# Altium PCB IoTa_1_0.PcbDoc (part 1 of 2) (continued)
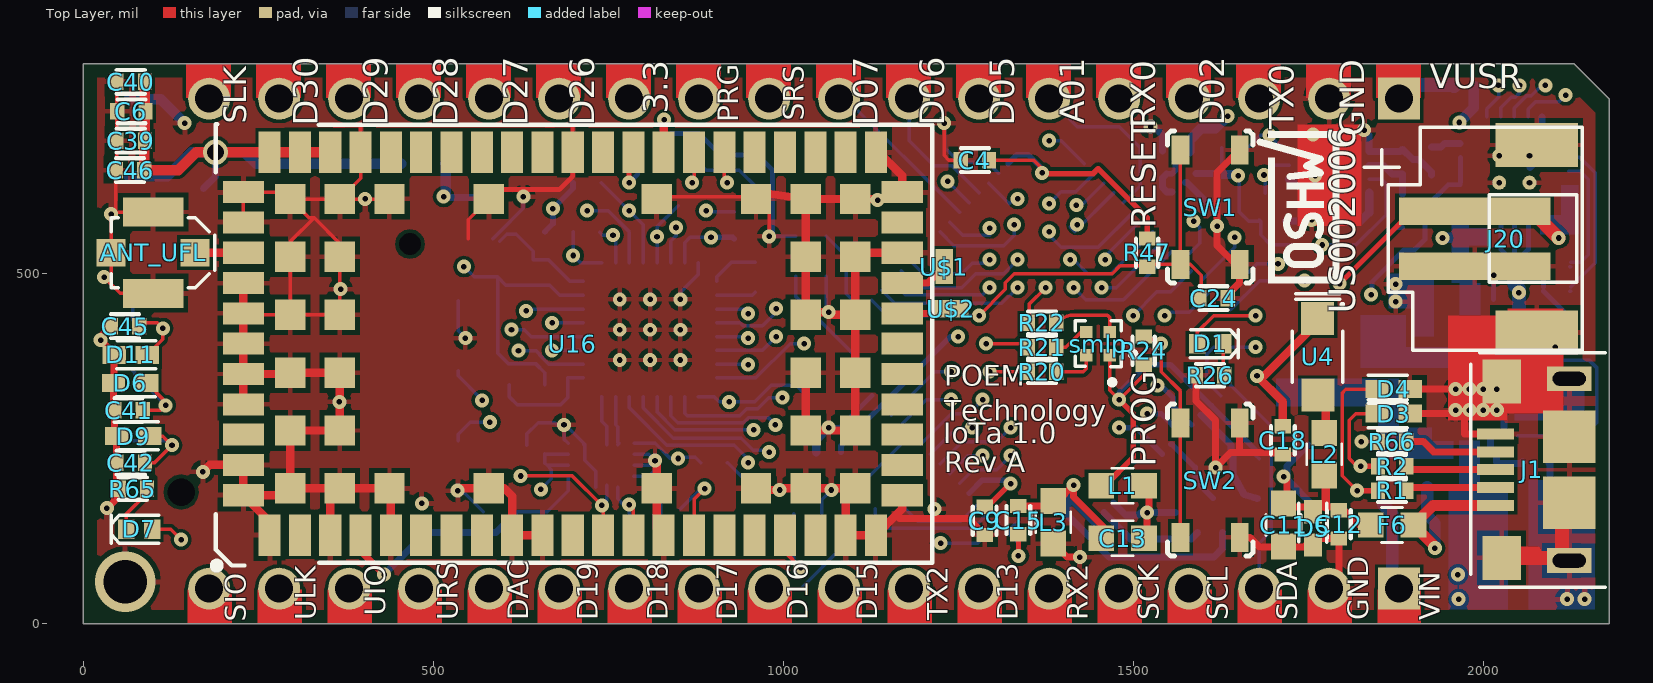
[diagram p0: Top Layer view]
## Components (designator, comment, footprint, x,y, rotation, side; value= is the part's Value field where it differs from the comment) (continued)
JRIGHT "22-28-4180" 1X18 1880,750 r180 bottom locked
L1 "FerriteBead_220ohm" RES0603 1485,197 r180 top
L2 "FerriteBead_220ohm" RES0603 1773,242 r90 top
L3 "FerriteBead_220ohm" RES0603 1386,145 r90 top
L5 "1uH" COILCRAFT_XFL4020 1770,375 r270 bottom
L7 "FerriteBead_220ohm" RES0603 486,657 r180 bottom
R1 "22" RES0402 1870,190 r180 top
R2 "22" RES0402 1870,225 r180 top
R7 "62k" RES0402 2105,481 r0 bottom
R8 "2k" RES0402 2105,516 r0 bottom
R12 "150k" RES0402 2075.63,228.63 r0 bottom
R13 "1M" RES0402 2000.63,228.63 r180 bottom
R19 "470" RES0402 1555,140 r270 bottom
R20 "470" RES0402 1370,360 r0 top
R21 "120" RES0402 1370,395 r0 top
R22 "160" RES0402 1370,430 r0 top
R24 "10K" RES0402 1515,390 r270 top
R26 "75" RES0402 1610,355 r0 top
R35 "10K" RES0402 1645,680 r180 bottom
R36 "10K" RES0402 930,570 r270 bottom
R37 "10K" RES0402 720,630 r180 bottom
R38 "10K" RES0402 680,560 r180 bottom
R40 "10K" RES0402 1670,608 r180 bottom
R45 "1k" RES0402 1885,586 r270 bottom
R47 "10K" RES0402 1520,530 r90 top
R51 "CRCW08050000Z0EA" RESC2013X50X30LL20T20 885,157 r0 bottom value=0
R65 "75" RES0402 71,193 r0 top
R66 "0" RES0402 1870,260 r180 top
R2000 "10K" RES0402 1926,660.82 r90 bottom
SIM1 "SIM_CARD_NANO" SIM_CARD_NANO 140,188 r90 bottom locked
smlp "LED_RGB_1mm_sq" LED-RGB-1X1 1450,400 r270 top locked
SW1 "SWITCH_PTS810" SWITCH_PTS810 1610,595 r90 top locked
SW2 "SWITCH_PTS810" SWITCH_PTS810 1610,205 r90 top locked
TP1 "TPTP08R" TP08R 1920,195 r90 bottom
TP5 "TPTP08R" TP08R 1750,255 r90 bottom
TP13 "TPTP08R" TP08R 2114,562 r90 bottom
TP17 "TPTP08R" TP08R 738,559 r90 bottom
TP23 "TPTP08R" TP08R 625,211 r90 bottom
TP24 "TPTP08R" TP08R 786,133 r90 bottom
TP25 "TPTP08R" TP08R 1031.15,296.01 r90 bottom
TP26 "TPTP08R" TP08R 1030,400 r90 bottom
TP27 "TPTP08R" TP08R 850,597 r90 bottom
TP28 "TPTP08R" TP08R 172,622 r90 bottom
TP30 "TPTP08R" TP08R 568,609 r90 bottom
U1 "MICROCHIP_73871" QFN50P400X400X80_20_pin 2044.64,646.68 r0 bottom locked
U2 "TPS63020" QFN-14-POWERPAD3X4DSJ 1990.63,323.63 r180 bottom
U3 "CDBQR0230L" SODFL350X99-2N 1810,170 r180 bottom locked
U4 "CDBQR0230L" SODFL350X99-2N 1763.5,381.03 r270 top
U5 "MK22FN1M0VLH12" LQFP-64N 1376,394 r135 bottom locked
U6 "FREESCALE_MKL17Z256VFM4" QFN50P50 810,420 r0 bottom locked
U8 "VOLTAGE_TRANSLATOR_4_BIT" UQFN_16 740,234 r0 bottom
U9 "" SC70-5 634,298 r90 bottom locked
U10 "" REG_NCP160AMX180TBG 1571.04,629.8 r270 bottom
U16 "SARA-R410" SARA 229,183.47 r90 top locked
U19 "MAX1704X" TDFN-8 1780,645 r180 bottom
U$1 "TESTPAD" TESTPAD 1230,510 r90 top
U$2 "TESTPAD" TESTPAD 1240,450 r180 top
X1 "CRYSTAL_16MHz" CRYSTAL-SMD-2X1.6 1040,525 r90 bottom
X2 "32.768 kHz" CRYSTAL_ABS05 1153,164 r180 bottom
X3 "32.768 kHz" CRYSTAL_ABS05 960,495 r90 bottom

## Footprints (in the part's own frame and the unit in brackets; to place one, negate y for a bottom-side part, rotate by r counter-clockwise, add the part's x,y. Pads: shape width x height; smd on the part's side, far side on the other; paste and mask are expansions set on the pad)
1X18 [mil] "1X18, 0.1\" through-hole male header"
  rect 60x60 hole 40: 1(0,0)
  round 60 hole 40: 2(100,0) 3(200,0) 4(300,0) 5(400,0) 6(500,0) 7(600,0) 8(700,0) 9(800,0) 10(900,0) 11(1000,0) 12(1100,0) 13(1200,0) 14(1300,0) 15(1400,0) 16(1500,0) 17(1600,0) 18(1700,0)
  silkscreen extent -50,-50 1750,50, body extent -50,-47 1750,51, height 331
CAP0402 [mm] "Chip Capacitor, 2-Leads, Body 1.00x0.50mm, IPC Medium Density"
  rect 0.515x0.6 smd: 1(-0.513,0) 2(0.513,0)
  silkscreen extent -0.51,-0.43 0.51,0.43, body extent -0.55,-0.3 0.55,0.3, height 0.6
CAP0603 [mil]
  rect 37x36 smd: 1(30.5,0) 2(-30.5,0)
  silkscreen extent -15,-25 15,25, body extent -39,-20 39,20, height 32
CAP1210POL [mil] "Polorized version of CAP1210 showing orientation of cap"
  rect 63x110 smd: 1(-55,0) 2(55,0)
  silkscreen extent -104,-65 85,60, body extent -67,-53 67,53, height 50
COILCRAFT_XFL4020 [mil] "COILCRAFT_XFL4020"
  rect 38.58x133.86 smd: P$1(-46.65,0) P$2(46.65,0)
  silkscreen extent -79,-79 79,79, body extent -80,-80 80,80, height 83
CRYSTAL-SMD-2X1.6 [mil] "CRYSTAL-SMD-2X1.6"
  rect 35.43x31.5 smd: 1(-28.35,-21.65) 2(28.35,-21.65) 3(28.35,21.65) 4(-28.35,21.65)
  silkscreen extent -62,-55 -52,-45, body extent -39,-31 39,31, height 16
CRYSTAL_ABS05 [mm] "CRYSTAL 1mm x 1.6mm"
  rect 0.5x1 smd: 1(-0.55,0) 2(0.55,0)
  silkscreen extent -0.97,-0.65 0.95,0.67, body extent -0.79,-0.49 0.81,0.51, height 0.5
DIODE_0402 [mm] "0402 sized Diode"
  rect 0.5x0.7 smd: ANODE(-0.375,0) CATHODE(0.375,0)
  silkscreen extent -0.61,-0.51 0.87,0.51, body extent -0.5,-0.25 0.5,0.25, height 0.35
JST-PH-2-Top [mm] "JST-PH-2 Surface Mount Top Entry"
  rect 1x5.5 smd: BAT(-1,-4.75) GND(1,-4.75)
  rect 1.6x3 smd: CHASSIS1(-3.4,-2.5) CHASSIS2(3.4,-2.5)
  silkscreen extent -4.05,-8.75 4.05,-0.85, body extent -3.96,-6.98 3.99,0.02, height 6.6
LED-RGB-1X1 [mm] "LED RGB 1mm x 1mm"
  rect 0.45x0.45 smd: 1(0.425,0.425) 2(0.425,-0.425) 3(-0.425,-0.425) 4(-0.425,0.425)
  silkscreen extent -0.84,-0.84 1.53,1.4, body extent -0.51,-0.5 0.49,0.5, height 0.2
LED_0402_VISHAY_VLMW [mm] "LED_0402_VISHAY_VLMW"
  rect 0.6x0.7 smd: ANODE(0.475,0) CATHODE(-0.475,0)
  silkscreen extent -1.02,-0.51 0.72,0.51, body extent -0.5,-0.25 0.5,0.25, height 0.35
LQFP-64N [mm] "TSQFP, 64-Leads, Body 10.00x10.00mm, Pitch 0.50mm, IPC Medium Density"
  oval 1.4x0.28 smd mask+0.07: 1(-5.7,3.75) 2(-5.7,3.25) 3(-5.7,2.75) 4(-5.7,2.25) 5(-5.7,1.75) 6(-5.7,1.25) 7(-5.7,0.75) 8(-5.7,0.25) 9(-5.7,-0.25) 10(-5.7,-0.75) 11(-5.7,-1.25) 12(-5.7,-1.75) 13(-5.7,-2.25) 14(-5.7,-2.75) 15(-5.7,-3.25) 16(-5.7,-3.75) 33(5.7,-3.75) 34(5.7,-3.25) 35(5.7,-2.75) 36(5.7,-2.25) 37(5.7,-1.75) 38(5.7,-1.25) 39(5.7,-0.75) 40(5.7,-0.25) 41(5.7,0.25) 42(5.7,0.75) 43(5.7,1.25) 44(5.7,1.75) 45(5.7,2.25) 46(5.7,2.75) 47(5.7,3.25) 48(5.7,3.75)
  oval 0.28x1.4 smd mask+0.07: 17(-3.75,-5.7) 19(-2.75,-5.7) 20(-2.25,-5.7) 21(-1.75,-5.7) 22(-1.25,-5.7) 23(-0.75,-5.7) 24(-0.25,-5.7) 25(0.25,-5.7) 26(0.75,-5.7) 27(1.25,-5.7) 28(1.75,-5.7) 29(2.25,-5.7) 30(2.75,-5.7) 31(3.25,-5.7) 32(3.75,-5.7) 49(3.75,5.7) 50(3.25,5.7) 51(2.75,5.7) 52(2.25,5.7) 53(1.75,5.7) 54(1.25,5.7) 55(0.75,5.7) 56(0.25,5.7) 57(-0.25,5.7) 58(-0.75,5.7) 59(-1.25,5.7) 60(-1.75,5.7) 61(-2.25,5.7) 62(-2.75,5.7) 63(-3.25,5.7) 64(-3.75,5.7)
  rrect100% 0.28x1.4 smd mask+0.07: 18(-3.25,-5.7)
  silkscreen extent -5.82,-4.6 4.6,4.6, body extent -6,-6 6,6, height 1.6
PESD_0402 [mm] "LittleFuse PESD 0402"
  rect 0.85x0.65 smd: 1(-0.6,0) 2(0.6,0)
  silkscreen extent -0.5,-0.5 0.91,0.52, body extent -0.55,-0.3 0.55,0.3, height 0.35
QFN50P50 [mm] "QFN, 32-Leads, Body 5.00x5.00mm, Pitch 0.50mm, Thermal Pad 3.60x3.60mm, IPC Medium Density"
  rect 0.8x0.25 smd: 1(-2.425,1.75) 2(-2.425,1.25) 3(-2.425,0.75) 4(-2.425,0.25) 5(-2.425,-0.25) 6(-2.425,-0.75) 7(-2.425,-1.25) 8(-2.425,-1.75) 17(2.425,-1.75) 18(2.425,-1.25) 19(2.425,-0.75) 20(2.425,-0.25) 21(2.425,0.25) 22(2.425,0.75) 23(2.425,1.25) 24(2.425,1.75)
  rect 0.25x0.8 smd: 9(-1.75,-2.425) 10(-1.25,-2.425) 11(-0.75,-2.425) 12(-0.25,-2.425) 13(0.25,-2.425) 14(0.75,-2.425) 15(1.25,-2.425) 16(1.75,-2.425) 25(1.75,2.425) 26(1.25,2.425) 27(0.75,2.425) 28(0.25,2.425) 29(-0.25,2.425) 30(-0.75,2.425) 31(-1.25,2.425) 32(-1.75,2.425)
  rect 3.4x3.4 smd mask+0: PAD(0,0)
  silkscreen extent -3.42,-2.65 2.65,2.65, body extent -2.55,-2.55 2.55,2.55, height 0.65
QFN50P400X400X80_20_pin [mm] "QFN, 20-Leads, Body 4.00x4.00mm, Pitch 0.50mm, Thermal Pad 2.50x2.50mm, IPC Medium Density"
  rect 0.73x0.3 smd mask+0.051: 1(-1.965,1) 2(-1.965,0.5) 3(-1.965,0) 4(-1.965,-0.5) 5(-1.965,-1) 11(1.965,-1) 12(1.965,-0.5) 13(1.965,0) 14(1.965,0.5) 15(1.965,1)
  rect 0.3x0.73 smd mask+0.051: 6(-1,-1.965) 7(-0.5,-1.965) 8(0,-1.965) 9(0.5,-1.965) 10(1,-1.965) 16(1,1.965) 17(0.5,1.965) 18(0,1.965) 19(-0.5,1.965) 20(-1,1.965)
  round 0.508 hole 0.203: 21(-0.55,-0.55) 21(0.55,-0.55)
  round 0.508 hole 0.203 mask+0.102: 21(-0.55,0.424) 21(0.55,0.424)
  rect 2.5x2.5 smd mask+0.051: 21(0,0)
  silkscreen extent -2.4,-2 2,2, body extent -2.08,-2.08 2.08,2.08, height 0.8
QFN-14-POWERPAD3X4DSJ [mm] "QFN-14-POWERPAD3X4DSJ"
  rrect100% 0.24x0.6 smd mask+0.052: 1(-1.5,-1.4) 3(-0.5,-1.4) 4(0,-1.4) 5(0.5,-1.4) 6(1,-1.4) 7(1.5,-1.4) 8(1.5,1.4) 9(1,1.4) 10(0.5,1.4) 11(0,1.4) 12(-0.5,1.4) 13(-1,1.4) 14(-1.5,1.4)
  rrect100% 0.24x0.6 smd paste+0 mask+0.052: 2(-1,-1.4)
  rect 0.8x0.2 smd mask+0.052: POWERPAD(-1.8,-0.69) POWERPAD(-1.8,-0.23) POWERPAD(-1.8,0.23) POWERPAD(-1.8,0.69) POWERPAD(1.8,-0.69) POWERPAD(1.8,-0.23) POWERPAD(1.8,0.23) POWERPAD(1.8,0.69)
  rect 2.85x1.58 smd paste-5: POWERPAD(0,0)
  silkscreen extent -2.32,-1.82 2.07,1.58, body extent -2,-1.55 2,1.55, height 1
REG_NCP160AMX180TBG [mm]
  rect 0.1x0.1 smd paste-1 mask+0: 1(-0.325,-0.4) 2(0.325,-0.4) 3(0.325,0.4) 4(-0.325,0.4)
  rect 0.52x0.52 smd rot 45 mask+0: 5(0,0)
  silkscreen extent -0.62,-0.63 -0.58,-0.58, body extent -0.5,-0.5 0.5,0.5, height 0.38
RES0402 [mm] "Chip Resistor, 2-Leads, Body 1.00x0.50mm, IPC Medium Density"
  rect 0.515x0.6 smd: 1(-0.513,0) 2(0.513,0)
  silkscreen extent -0.51,-0.41 0.51,0.41, body extent -0.55,-0.3 0.55,0.3, height 0.35
RES0603 [mil]
  rect 37x36 smd: 1(30.5,0) 2(-30.5,0)
  silkscreen extent -15,-25 15,25, body extent -39,-20 39,20, height 32
RESC2013X50X30LL20T20 [mm] "Chip Resistor, 2-Leads, Body 2.00x1.25mm, IPC High Density"
  rect 0.85x1.35 smd: 1(-0.825,0) 2(0.825,0)
  silkscreen extent -0.1,-0.58 0.1,0.58, body extent -1.1,-0.72 1.1,0.72, height 0.5
SARA [mm] "u-blox SARA cellular module"
  rect 1.5x0.8 smd paste-0.1: 1(-1.45,-0.95) 2(-1.45,-2.05) 3(-1.45,-3.15) 4(-1.45,-4.25) 5(-1.45,-5.35) 6(-1.45,-6.45) 7(-1.45,-7.55) 8(-1.45,-8.65) 9(-1.45,-9.75) 10(-1.45,-10.85) 11(-1.45,-11.95) 12(-1.45,-13.05) 13(-1.45,-14.15) 14(-1.45,-15.25) 15(-1.45,-16.35) 16(-1.45,-17.45) 17(-1.45,-18.55) 18(-1.45,-19.65) 19(-1.45,-20.75) 20(-1.45,-21.85) 21(-1.45,-22.95) 33(12.45,-22.95) 34(12.45,-21.85) 35(12.45,-20.75) 36(12.45,-19.65) 37(12.45,-18.55) 38(12.45,-17.45) 39(12.45,-16.35) 40(12.45,-15.25) 41(12.45,-14.15) 42(12.45,-13.05) 43(12.45,-11.95) 44(12.45,-10.85) 45(12.45,-9.75) 46(12.45,-8.65) 47(12.45,-7.55) 48(12.45,-6.45) 49(12.45,-5.35) 50(12.45,-4.25) 51(12.45,-3.15) 52(12.45,-2.05) 53(12.45,-0.95)
  rect 0.8x1.5 smd paste-0.1: 22(0,-23.9) 23(1.1,-23.9) 24(2.2,-23.9) 25(3.3,-23.9) 26(4.4,-23.9) 27(5.5,-23.9) 28(6.6,-23.9) 29(7.7,-23.9) 30(8.8,-23.9) 31(9.9,-23.9) 32(11,-23.9) 54(11,0) 55(9.9,0) 56(8.8,0) 57(7.7,0) 58(6.6,0) 59(5.5,0) 60(4.4,0) 61(3.3,0) 62(2.2,0) 63(1.1,0) 64(0,0)
  rect 1.1x1.1 smd paste-0.025: 65(0.25,-1.7) 66(2.35,-1.7) 67(4.45,-1.7) 68(6.55,-1.7) 69(8.65,-1.7) 70(10.75,-1.7) 71(0.25,-3.5) 72(2.35,-3.5) 73(4.45,-3.5) 74(6.55,-3.5) 75(8.65,-3.5) 76(10.75,-3.5) 77(0.25,-5.3) 78(10.75,-5.3) 79(0.25,-8.9) 80(10.75,-8.9) 81(0.25,-15) 82(10.75,-15) 83(0.25,-18.6) 84(10.75,-18.6) 85(0.25,-20.4) 86(2.35,-20.4) 87(4.45,-20.4) 88(6.55,-20.4) 89(8.65,-20.4) 90(10.75,-20.4) 91(0.25,-22.2) 92(2.35,-22.2) 93(4.45,-22.2) 94(6.55,-22.2) 95(8.65,-22.2) 96(10.75,-22.2)
  silkscreen extent -2.6,-24.99 13.46,1.02, body extent -2.5,-25 13.5,1, height 3.03
SC70-5 [mm] "SC70 5-pin"
  rect 0.9x0.4 smd paste-0.025 mask+0.05: 1(-1.1,0.65) 2(-1.1,0) 3(-1.1,-0.65) 4(1.1,-0.65) 5(1.1,0.65)
  silkscreen extent -1.34,-1.03 1.02,1.25, body extent -1.05,-1 1.05,1, height 1
SIM_CARD_NANO [mm] "SIM_CARD_NANO"
  round 0 hole 1 unplated: 1(0,0)
  round 0 hole 0.8 unplated: 1(9,8.3)
  rect 1x1.1 smd: C1(6.94,-1.75) C2(4.4,-1.75) C3(1.86,-1.75) C5(6.94,10.05) C6(4.4,10.05) C7(1.86,10.05)
  rect 1x3 smd: MTG1(9.7,4.15) MTG2(-0.9,4.15)
  Top Layer pour cut-out: 7.54,0.2 6.34,0.2 6.34,1.2 7.54,1.2 7.54,0.2
  Top Layer pour cut-out: 2.46,0.2 1.26,0.2 1.26,1.2 2.46,1.2 2.46,0.2
  Top Layer pour cut-out: 5,0.2 3.8,0.2 3.8,1.2 5,1.2 5,0.2
  Top Layer pour cut-out: 6.34,8.8 7.54,8.8 7.54,7.8 6.34,7.8 6.34,8.8
  Top Layer pour cut-out: 3.8,8.8 5,8.8 5,7.8 3.8,7.8 3.8,8.8
  Top Layer pour cut-out: 1.26,8.8 2.46,8.8 2.46,7.8 1.26,7.8 1.26,8.8
  silkscreen extent -1,-2 10,10, body extent -1.03,-1.95 9.81,10.25, height 1.35
SODFL350X99-2N [mm] "SODFL, 2-Leads, Body 1.65x3.50mm, IPC Medium Density"
  rect 1.2x1.2 smd: Anode(1.384,0.01) Cathode(-1.4,0)
  silkscreen extent -2.3,-0.91 0.92,0.95, body extent -1.75,-0.9 1.75,0.9, height 0.99
SWITCH_PTS810 [mm] "CK-Components PTS810 switch"
  rect 1.05x0.65 smd: 1(-2.075,1.075) 2(2.075,1.075) 3(-2.075,-1.075) 4(2.075,-1.075)
  silkscreen extent -2.76,-1.55 2.76,1.55, body extent -2.26,-1.57 2.31,1.63, height 2.5
TDFN-8 [mm] "TDFN-8"
  rect 0.7x0.3 smd mask+0.051: 1(-1.45,0.75) 2(-1.45,0.25) 3(-1.45,-0.25) 4(-1.45,-0.75) 5(1.45,-0.75) 6(1.45,-0.25) 7(1.45,0.25) 8(1.45,0.75)
  rect 1.75x1.63 smd mask+0.051: EP(0,0)
  silkscreen extent -1.68,-1.05 1.5,1.45, body extent -1.48,-1 1.52,1, height 2
TESTPAD [mil] "TESTPAD"
  rect 50x25 smd paste-393.7: P$1(0,0)
TP08R [mil] "TP08R"
  rrect100% 31.5x31.5 smd paste-393.7: TP(0,0)
UFL [mm] "UFL"
  rect 2.2x1.05 smd: GND1(0,-1.475) GND2(0,1.475)
  rect 1.05x1 smd: GND3(1.525,0) SIGNAL(-1.525,0)
  silkscreen extent -2.24,-1.27 1.52,1.27, body extent -1.55,-1.5 1.55,1.5, height 1.25
UQFN_16 [mm] "UQFN_16"
  rect 0.2x0.75 smd mask+0.051: P$1(-0.6,-0.725)
  rect 0.2x0.65 smd mask+0.051: P$2(-0.2,-0.775) P$3(0.2,-0.775) P$4(0.6,-0.775) P$9(0.6,0.775) P$10(0.2,0.775) P$11(-0.2,0.775) P$12(-0.6,0.775)
  rect 0.65x0.2 smd mask+0.051: P$5(1.175,-0.6) P$6(1.175,-0.2) P$7(1.175,0.2) P$8(1.175,0.6) P$13(-1.175,0.6) P$14(-1.175,0.2) P$15(-1.175,-0.2) P$16(-1.175,-0.6)
  silkscreen extent -1.3,-1.2 1.3,1, body extent -1.33,-1 1.33,1, height 0.5
USB_MICRO_FCI_10118193 [mm] "MICRO USB B FCI Connector"
  rect 1.35x0.4 smd: D+(2.675,0) D-(2.675,0.65) GND(2.675,-1.3) ID(2.675,-0.65) VCC(2.675,1.3)
  rect 1.6x0.9 smd: GND(0,3.3) GND(0,-3.3)
  oval 1.6x0.9 hole 0.5 slot 1.2 at 0 deg: GND(0,3.3) GND(0,-3.3)
  rect 1.9x1.9 smd paste-0.2: GND(0,1.2) GND(0,-1.2)
  rect 1.4x1.6 smd paste-0.2: GND(2.45,3.2) GND(2.45,-3.2)
  silkscreen extent -1.3,-4.25 3.57,4.28, body extent -2.76,-3.93 2.9,3.93, height 2.88

## Part data
ANT_UFL: "Amphenol", MPN=A-1JB, Internal PN=CON-0006, MFG=Amphenol
C1: library part CAP1uF_0603, "Capacitor, 1 uF, 0603", MPN=GRM188R71C105KA12D, Package=0603, Internal PN=CAP-0001, MFG=MURATA
C2 C3 C4 C6 C7 C8 C9 C12 C14 C15 C18 C24 C25 C26 C48: library part CAP0.1uF_0402, "CAPACITOR, 0.1 uF, 0402", MPN=GRM155R61C104KA88D, Internal PN=CAP-0004, MFG=MURATA, PKG=0402
C10 C11 C13 C28: library part CAP2.2uF_0603, "Capacitor, 2.2 uF, 0603", MPN=CL10A225MQ8NNNC, Package=0603, Internal PN=CAP-0002, MFG=SAMSUNG
C16 C20 C49: library part CAP1uF_0402, "CAPACITOR, 1uF, 0402", MPN=04026D105KAT2A, Package=0402, Internal PN=CAP-0005, MFG=AVX
C27 C39: library part CAP10nF_0402, "CAPACITOR, 10 nF, 0402", MPN=GRM155R71C103KA01D, Internal PN=CAP-0016, MFG=MURATA, PKG=0402
C33 C34: library part CAP10uF_0603, "Capacitor, 10 uF, 0603", MPN=GRM188R60J106ME84D, Internal PN=CAP-0007, MFG=Murata
C36 C37 C38: library part CAP22uF_0603, "Capacitor, 22 uF, 0603", MPN=GRM188R60J226MEA0D, Package=0603, Internal PN=CAP-0008, MFG=MURATA
C40: library part CAP56pF_0402, "CAPACITOR, 56 pF, 0402", MPN=C0402C560J5GACTU, Package=0402, Internal PN=CAP-0009, MFG=KEMET
C41 C42 C44 C45: library part CAP47pf_0402, "CAPACITOR, 47 pF, 0402", MPN=04025A470JAT2A, Internal PN=CAP-0010, MFG=AVX, PKG=0402
C43: library part CAP47pf_0402, "CAPACITOR, 47 pF, 0402", MPN=04025A470JAT2A, Supplier Part Number 1=GRM1555C1H470JA01D, Internal PN=CAP-0010, MFG=AVX, PKG=0402, Supplier 1="Arrow Electronics", Supplier 2="Arrow Electronics", Supplier 3="Arrow Electronics", Supplier 4="Arrow Electronics", Supplier Part Number 2=C0402C470J5GACTU, Supplier Part Number 3=04025A470JAT2A, Supplier Part Number 4=04025A470FAT2A
C46: library part CAP15pF_0402, "CAPACITOR, 15 pF, 0402", MPN=04025A150JAT2A, Package=0402, Internal PN=CAP-0011, MFG=AVX/ELCO
C47: library part CAP330uF_1210P, "Capacitor, 330 uF, 1210, Polarized Tantalum", MPN=F950J337MBAAQ2, Package=1210, Internal PN=CAP-0012, MFG=AVX
D1 D7: "LED, Vishay White 0402", MPN=VLMW1500-GS08, Package=0402, Internal PN=DIO-0002, MFG=VISHAY
D3 D4 D5 D6 D9 D10 D11: library part PESD_14V, "DIODE,ZENER VOLTAGE SUPPRESSOR,+/-14V", MPN=PESD0402-140, Internal PN=DIO-0009, MFG=Littlefuse
D8: library part DIODE_0402_200mA, "Schottky Barrier Diode, 200 mA, 30 V, 0402 package", Package=0402, Internal PN=DIO-0004, MFG=Comchip, MPN=CDBQR0230L
F6: library part FUSE_0603, "Fuse, 3A, 0603", MPN=SF-0603S300-2, Internal PN=FUS-0001, MFG=Bourns
J1: library part USB_MICRO_B_FCI_10118193, "Connector, Micro USB B, FCI", MPN=10118193-0001LF, Internal PN=CON-0009, MFG="Amphenol FCI", USB-B=USB-B
J20: "Battery Connector JST-PH2 Top Entry", MPN=B2B-PH-SM4-TB(LF)(SN), Internal PN=CON-0010, MFG=JST
JLEFT JRIGHT: library part PINHD-1X18, "Header, Male, 1x18, 0.1\"", Internal PN=CON-0011, MFG=MOLEX, MPN=22-28-4180
L1 L2 L3 L7: "FerriteBead, 220ohm", MPN=BLM18AG121SN1D, Internal PN=IND-0001, MFG=Murata
L5: library part INDUCTOR_1UH_XFL4020-102MEC, "Inductor, 1 uH, Coilcraft", MPN=XFL4020-102MEC, Internal PN=IND-0003, MFG=Coilcraft
R1 R2: library part RES22R_0402, "Resistor, 22 ohm, 0402 case, 1%", MPN=RC0402FR-0722RL, Package=0402, Internal PN=RES-0016, MFG=YAEGO
R7: library part RES62K_0402_1, "Resistor, 62K ohm, 0402 case", MPN=RC0402FR-0762KL, Package=0402, Internal PN=RES-0017, MFG=YAEGO
R8: library part RES2K_0402, "Resistor, 2K ohm, 0402 case", MPN=RC0402FR-072KL, Package=0402, Internal PN=RES-0015, MFG=YAEGO
R12: library part RES150K_0402, "Res, 150k ohm, 0402 case, 1%", MPN=RC0402FR-07150KL, Package=0402, Internal PN=RES-0004, MFG=YAEGO
R13: library part RES1M_0402, "Resistor, 1M ohm, 0402 case, 1%", MPN=RC0402FR-071ML, Package=0402, Internal PN=RES-0014, MFG=YAEGO
R19 R20: library part RES470R_0402, "Resistor, 470 ohm, 0402 case, 1%", MPN=ERJ-2GEJ471X, Package=0402, Internal PN=RES-0006, MFG=PANASONIC
R21: library part RES120R_0402, "Resistor, 120 ohm, 0402 case, 1%", MPN=ERJ-2GEJ121X, Package=0402, Internal PN=RES-0019, MFG=PANASONIC
R22: library part RES160R_0402, "Resistor, 160 ohm, 0402 case, 1%", MPN=ERJ-2GEJ161X, Package=0402, Internal PN=RES-0020, MFG=PANASONIC
R24 R35 R36 R37 R38 R40 R47 R2000: library part RES10K_0402, "Resistor, 10k ohm, 0402", MPN=RC0402JR-0710KL, Package=0402, Internal PN=RES-0008, MFG=YAEGO
R26 R65: library part RES75R_0402, "Resistor, 75 ohm, 0402, 1%", MPN=RC0402FR-0775RL, Package=0402, Internal PN=RES-0018, MFG=YAEGO
R45: library part RES1K_0402, "Resistor, 1k, 0402 case, 1%", MPN=RC0402JR-071KL, Package=0402, Internal PN=RES-0002, MFG=YAEGO
R51: library part CMP-2001-04896-1, Manufacturer="Vishay Dale", Part Number=CRCW08050000Z0EA
R66: library part RES0R_0402, "Resistor, 0 ohm, 0402", MPN=ERJ-2GE0R00X, Package=0402, Internal PN=RES-0011, MFG=PANASONIC
SIM1: "Connector, SIM Card,Nano", MPN=SIM8050-6-0-14-01-A, Package=CUSTOM, CLK=CLK, GND=GND, I/O=I/O, Internal PN=CON-0007, MFG="GLOBAL CONNECTOR TECHNOLOGY", RST=RST, VCC=VCC, Vpp=Vpp
smlp: "LED, Tri-color, RGB, 1mm sq", MPN=SMLP34RGB1W3, Package=LED_SQ_1x1, Supplier Part Number 1=846-SMLP34RGBN1W3CT-ND, Internal PN=DIO-0006, MFG=Rohm, Supplier 1=Digi-Key
SW1 SW2: "Switch, C&K, PTS810", MPN="PTS810 SJM 250 SMTR LFS", Package=PTS810, Internal PN=SWI-0001, MFG="C&K Components"
TP1 TP5 TP13 TP17 TP23 TP24 TP25 TP26 TP27 TP28 TP30: "Test pad", MPN=N/A, MFG=N/A
U1: "Stand-alone Load Sharing and LiPo Battery Charge management controller", MPN=MCP73871-2CCI/ML, Internal PN=IC-0012, MFG=MICROCHIP
U2: "Regulator, Boost Buck, Adjustable, 3A", MPN=TPS63020DSJ, Package=QFN_14_3x4, Internal PN=IC-0013, MFG=TI
U3 U4: library part DIODE_SOD123F_1A, "Schottky Barrier Diode, 1.5 A, 30 V, 0402 package", MPN=CRS08(TE85L,Q,M), Package=SOD-123F, Internal PN=DIO-0005, MFG="Toshiba Semiconductor and Storage"
U5: "ARM® Cortex®-M4 Kinetis K20 Microcontroller IC 32-Bit 120MHz 1MB (1M x 8) FLASH 64-LQFP (10x10)", MPN=MK22FN1M0AVLH12, Internal PN=IC-0008, MFG=Freescale
U6: "Microprocessor, Freescale, MKL17Z256VFM4", MPN=MKL17Z256VFM4, Package=QFN32_5x5, EXTAL0=EXTAL0, I2C0_SCL=I2C0_SCL, I2C0_SDA=I2C0_SDA, I2C1_SCL=I2C1_SCL, I2C1_SDA=I2C1_SDA, Internal PN=IC-0009, LPUART0_RX=LPUART0_RX, LPUART0_TX=LPUART0_TX, LPUART1_RX=LPUART1_RX, LPUART1_TX=LPUART1_TX, MFG=FREESCALE, MKL17Z256VFM4=MKL17Z256VFM4, SPI0_MISO=SPI0_MISO, SPI0_MOSI=SPI0_MOSI, SPI0_SCK=SPI0_SCK, SPI0_SS=SPI0_SS, SPI1_MISO=SPI1_MISO, SPI1_MOSI=SPI1_MOSI, SPI1_SCK=SPI1_SCK, SPI1_SS=SPI1_SS, SWD_CLK=SWD_CLK, SWD_DIO=SWD_DIO, UART2_RX=UART2_RX, UART2_TX=UART2_TX, XTAL0=XTAL0
U8: "IC, Voltage Translator, 4-bit", MPN=SN74AVC4T774RSVR, Package=UQFN_16, Internal PN=IC-0011, MFG=TI
U9: library part TPS22945, "IC, Current-limited  Load Switch, Active High", MPN=TPS22945DCKR, Supplier Part Number 1=595-TPS22943DCKR, Internal PN=IC-0017, MFG="Texas Instruments", Supplier 1=Mouser, Supplier 2="Arrow Electronics", Supplier 3="Arrow Electronics", Supplier Part Number 2=TPS2065DR, Supplier Part Number 3=FPF2005
U10: library part NCP177-D, "IC Regulator, LDO 3.3V 0.5A, 4XDFN", MPN=NCP177AMX330TCG, Internal PN=IC-0002, MFG="On Semi"
U16: library part SARA-R410M-02B, "LTE module for multi-regional use; Cat M1/NB1 deployed bands: 1*, 2, 3, 4, 5, 8, 12, 13, 18, 19, 20, 25, 26*, 28 (* roaming bands)", Internal PN=IC-0007, MFG=U-BLOX, MPN=SARA-R410M-02B
U19: "MAX17043/MAX17044: Battery Fuel Guage (43 is 1cell, 44 is 2cell)", MPN=MAX17043G+U, CROSS=NO, Internal PN=IC-0003, MFG=Maxim, PRODUCTION=YES
X1: "Crystal SMD, 16 MHz", MPN=CX2016DB16000D0WZRC1, Internal PN=XTL-0001, MFG=AVX
X2 X3: library part CRYSTAL_32.768K_ABS05, "32.768kHz ±20ppm Crystal 12.5pF 90 kOhm -40°C ~ 85°C Surface Mount 2-SMD", MPN=ABS05-32.768KHZ-T, Internal PN=XTL-0003, MFG=Abracon

## Via types
v1: diameter 20/22/22/22/22/20 (per signal layer), hole 8, Top Layer to Bottom Layer, tented top, 160 vias
v2: diameter 19.68, hole 7.87, Top Layer to Bottom Layer, 9 vias
v3: diameter 20/20/20/20/20/20 (per signal layer), hole 8, Top Layer to Bottom Layer, tented top, 2 vias
v4: diameter 86.8/76/76/76/76/93 (per signal layer), hole 62, Top Layer to Bottom Layer, 1 vias
v5: diameter 36/38/38/38/38/36 (per signal layer), hole 24, Top Layer to Bottom Layer, 1 vias

## Nets (pads, with @x,y where several pads share a name; then routed paths per layer and width w, separated by ;. In a path a pad name is that pad's centre, name@x,y a point inside that pad or via, vN(x,y) a via of type N, cw(c..) or ccw(c..) an arc to the next point about the centre after c; other vN are vias at no path point)
+3.3V: C3.1 C4.1 C7.1 C8.1 C9.1 C27.1 C28.1 C49.1 JRIGHT.12 L1.1 R24.2 R35.2 R36.2 R37.2 R38.2 R40.2 R47.2 smlp.1 U5.3 U5.21 U5.30 U5.48 U6.7 U6.15 U9.5 U10.1 U19.3 | length 2405.6
  Top Layer w5: C4.1@1294.15,662.21 1357.79,662.21 1370,650 v1(1370,644) v1@1370,643 ; smlp.1@1466.73,383.27 1466.73,333.27 v1(1480,320) 1516,356 1516,366.6 R24.2@1511.3,371.3
  Top Layer w8: C9.1@1290.09,165.09 v1(1325,200) ; v1@1370,643 1443,643 1450,650 1520,580 R47.2@1520,550.18 R47.2@1520,548.7 ; L1.1@1459.5,197 1500,237.5 1500,300 v1(1480,320) ; R24.2@1507.2,375.39 R24.2@1511.3,371.3
  Bottom Layer w5: v1(544,510) 558.5,495.5 C28.1@592,495.5 ; U9.5@659.59,341.31 659.59,358.41 647,371 608,371 592,387 C28.1@592,495.5 ; U6.7@714.53,469.21 680.79,469.21 666.5,483.5 604,483.5 C28.1@592,495.5 ; U6.15@859.21,515.47 859.21,544.21 867,552 v1(897,552) v1@900,552 ; C49.1@1614.92,642.8 1620,637.72 v1@1642.72,637.72 ; C49.1@1625.08,642.8 1626.3,644.02 R35.2@1626.3,680 ; v1@1651.3,640 1651.3,588.7 1665,575 C27.1@1679.82,575 ; C8.1@1675.43,247.68 1675.43,240 C8.1@1680,235.43 ; C27.1@1679.82,576.3 1680.98,576.3 1682.28,575 1682.28,555.72 1697,541 v1(1770,541) 1818.1,541 1861.37,584.27 1861.37,628.63 1854.84,635.16 U19.3@1837.09,635.16
  Bottom Layer w8: R38.2@659.82,560 671.3,571.48 v1@671.3,593 ; v1(671,593) 699.82,621.82 R37.2@699.82,630 ; v1@900,552 927.82,552 R36.2@930,549.82 ; C7.1@1082.72,245 1082.72,253.83 U5.30@1140.76,311.88 1238.89,410 v1(1250,410) ; U5.21@1266.04,186.6 1284.44,205 1320,205 v1(1325,200) v1@1330,200 ; U5.48@1321.71,657.08 1321.71,657.71 1334,670 1350,670 1370,650 v1(1370,644) v1@1370,643 ; v1(1480,320) 1480,330 1520,370 1553.11,370 U5.3@1611.24,311.88 C8.1@1675.43,247.68
  Bottom Layer w10: 1589.96,642.8 1614.92,642.8 1625.08,642.8 1647.2,642.8 v1(1650,640)
+3.8V: C16.1 C36.1 C37.1 C38.1 L7.2 R13.2 TP30.TP U2.4 U2.5 U10.3 U10.4 | length 273.9
  Bottom Layer w5: 1559.96,658.21 1559.96,658.58 1561,659.62
  Bottom Layer w8: 1547.86,642.59 U10.4@1555.29,642.59 1559.96,647.26 1559.96,658.21
  Bottom Layer w10: v1(515,610) 516,609 TP30.TP@568,609 ; 1547.86,642.59 1542.01,636.73 1542.01,622.86 1547.86,617 1555.22,617 U10.3@1555.29,617 ; 1559.96,660.62 1567.53,668.19 1575.04,668.19 1580.18,673.33 C16.1@1580.18,675
  Bottom Layer w15: L7.2@517.5,657 518,656.5 v1@518,613 ; C16.1@1580.18,675 1580.18,690.18 1597.5,707.5 1617.5,707.5 v1(1635,725)
  other v1: 1965,35 1964,70
\UBLOX_RESET: C43.1 U6.11 U16.18 | length 1133.6
  Top Layer w5: U16.18@1002.62,126.38 1002.62,102.38 v1(1025,80)
  Signal Layer 1 w5: v1(720,590) 584,454 584,364.86 620,328.86 620,262 767,115 990,115 v1(1025,80)
  Bottom Layer w5: v1(720,590) 750,590 780.47,559.53 U6.11@780.47,515.47 ; C43.1@1014.82,157 1014.82,90.18 v1(1025,80)
AGND: C13.2 C14.2 C15.2 L3.1 U5.15 U5.16 | length 570.2
  Top Layer w10: C15.2@1336,168.18 1378.68,168.18 L3.1@1386,175.5 1392.5,175.5 v1(1415,198) 1415,181 1458.5,137.5 C13.2@1458.5,122
  Bottom Layer w10: U5.15@1444.21,144.84 1415,174.05 v1(1415,198) 1407,190 1407,154.21 U5.16@1430.29,130.92 1465.83,95.38 1615.38,95.38 1627.72,107.72 C14.2@1627.72,130
AREF: C14.1 R19.2 U5.14 | length 153.3
  Bottom Layer w10: U5.14@1458.12,158.76 1495.59,121.3 1583.58,121.3 C14.1@1592.28,130
BL_SCL: R40.1 U5.37 U6.20 U19.7 | length 1220.9
  Signal Layer 1 w5: v1(1335,520) 1360,520 1380,500 1640,500 1666,526 1666,620 v1(1687,641)
  Signal Layer 3 w5: v1(990,450) 1077.5,537.5 1317.5,537.5 v1(1335,520)
  Bottom Layer w5: U6.20@905.47,429.84 938.41,429.84 942.75,425.5 970.5,425.5 990,445 v1(990,450) ; U5.37@1168.6,503.96 1192.56,480 1255,480 1275,500 1315,500 v1(1335,520) ; R40.1@1688.7,615 1688.7,641.7 1701.84,654.84 U19.7@1722.91,654.84
BL_SDA: R35.1 U5.38 U6.21 U19.8 | length 1111.4
  Signal Layer 1 w5: v3(1295,520) 1315,540 1480,540 1638,698 v1@1691,698
  Signal Layer 3 w5: v1(950,408) 950,410 970,430 1010,430 1100,520 v3(1295,520)
  Bottom Layer w5: U6.21@905.47,410.16 949.84,410.16 950,410 v1(950,408) ; U5.38@1182.52,517.88 1200.4,500 1255,500 1270,515 v3@1295,515 ; R35.1@1663.7,680 1681.7,698 v1(1695,698) 1718.47,674.53 U19.8@1722.91,674.53
CHG_PG: R38.1 U1.6 U6.9 | length 1631
  Signal Layer 4 w5: v1(700,526) 755,581 755,638 770,653 947,653 978,684 1342,684 1368,710 1436,710 1462,684 1638,684 1645.5,676.5 1956.5,676.5 2022,742 v1(2022,769)
  Bottom Layer w5: R38.1@700.18,560 700,559.82 v1(700,526) 710.53,515.47 U6.9@741.1,515.47 ; U1.6@2005.27,724.05 2005.27,735.27 2022,752 v1(2022,769)
CHG_ST1: R37.1 U1.8 U6.12 | length 1622.7
  Signal Layer 4 w5: v1(780,590) 785,585 868.84,585 882.34,571.5 971.99,571.5 972.34,571.85 1210.85,571.85 1264.5,625.5 1634.5,625.5 1648.5,611.5 1936.5,611.5 2089,764 v1(2089,769)
  Bottom Layer w5: R37.1@740.18,630 740.18,629.82 v1(780,590) 800.16,569.84 U6.12@800.16,515.47 ; U1.8@2044.64,724.05 2044.64,736.64 2062,754 2068.94,754 2083.94,769 v1(2089,769)
CHG_ST2: R36.1 U1.7 U6.2 | length 1897
  Signal Layer 3 w5: v1(622,390) 615.84,390 592,413.84 592,454 635,497 736,497 829,590 v1(890,590)
  Signal Layer 4 w5: v1(890,590) 920,590 992.5,662.5 1973.36,662.5 2052.93,742.07 2052.93,768.07 v1(2052,769)
  Bottom Layer w5: v1(622,390) 647,390 652.66,384.34 652.66,383.22 665.09,370.79 U6.2@714.53,370.79 ; v1@881.3,588.7 R36.1@930,588.7 ; U1.7@2024.95,724.05 2024.95,736.95 2040,752 2045.86,752 2052,758.14 v1(2052,769)
EZP_CS: U5.26 U6.3 | length 828.2
  Signal Layer 1 w5: v1(670.16,390.47) 709.13,351.5 1048.5,351.5 1110,290 1253.84,290 1283.84,320 v1(1285,320)
  Bottom Layer w5: v1(670.16,390.47) U6.3@714.53,390.47 ; U5.26@1196.44,256.2 1240.24,300 1265,300 v1(1285,320)